# KiCad board central-control-unit.kicad_pcb (continued)
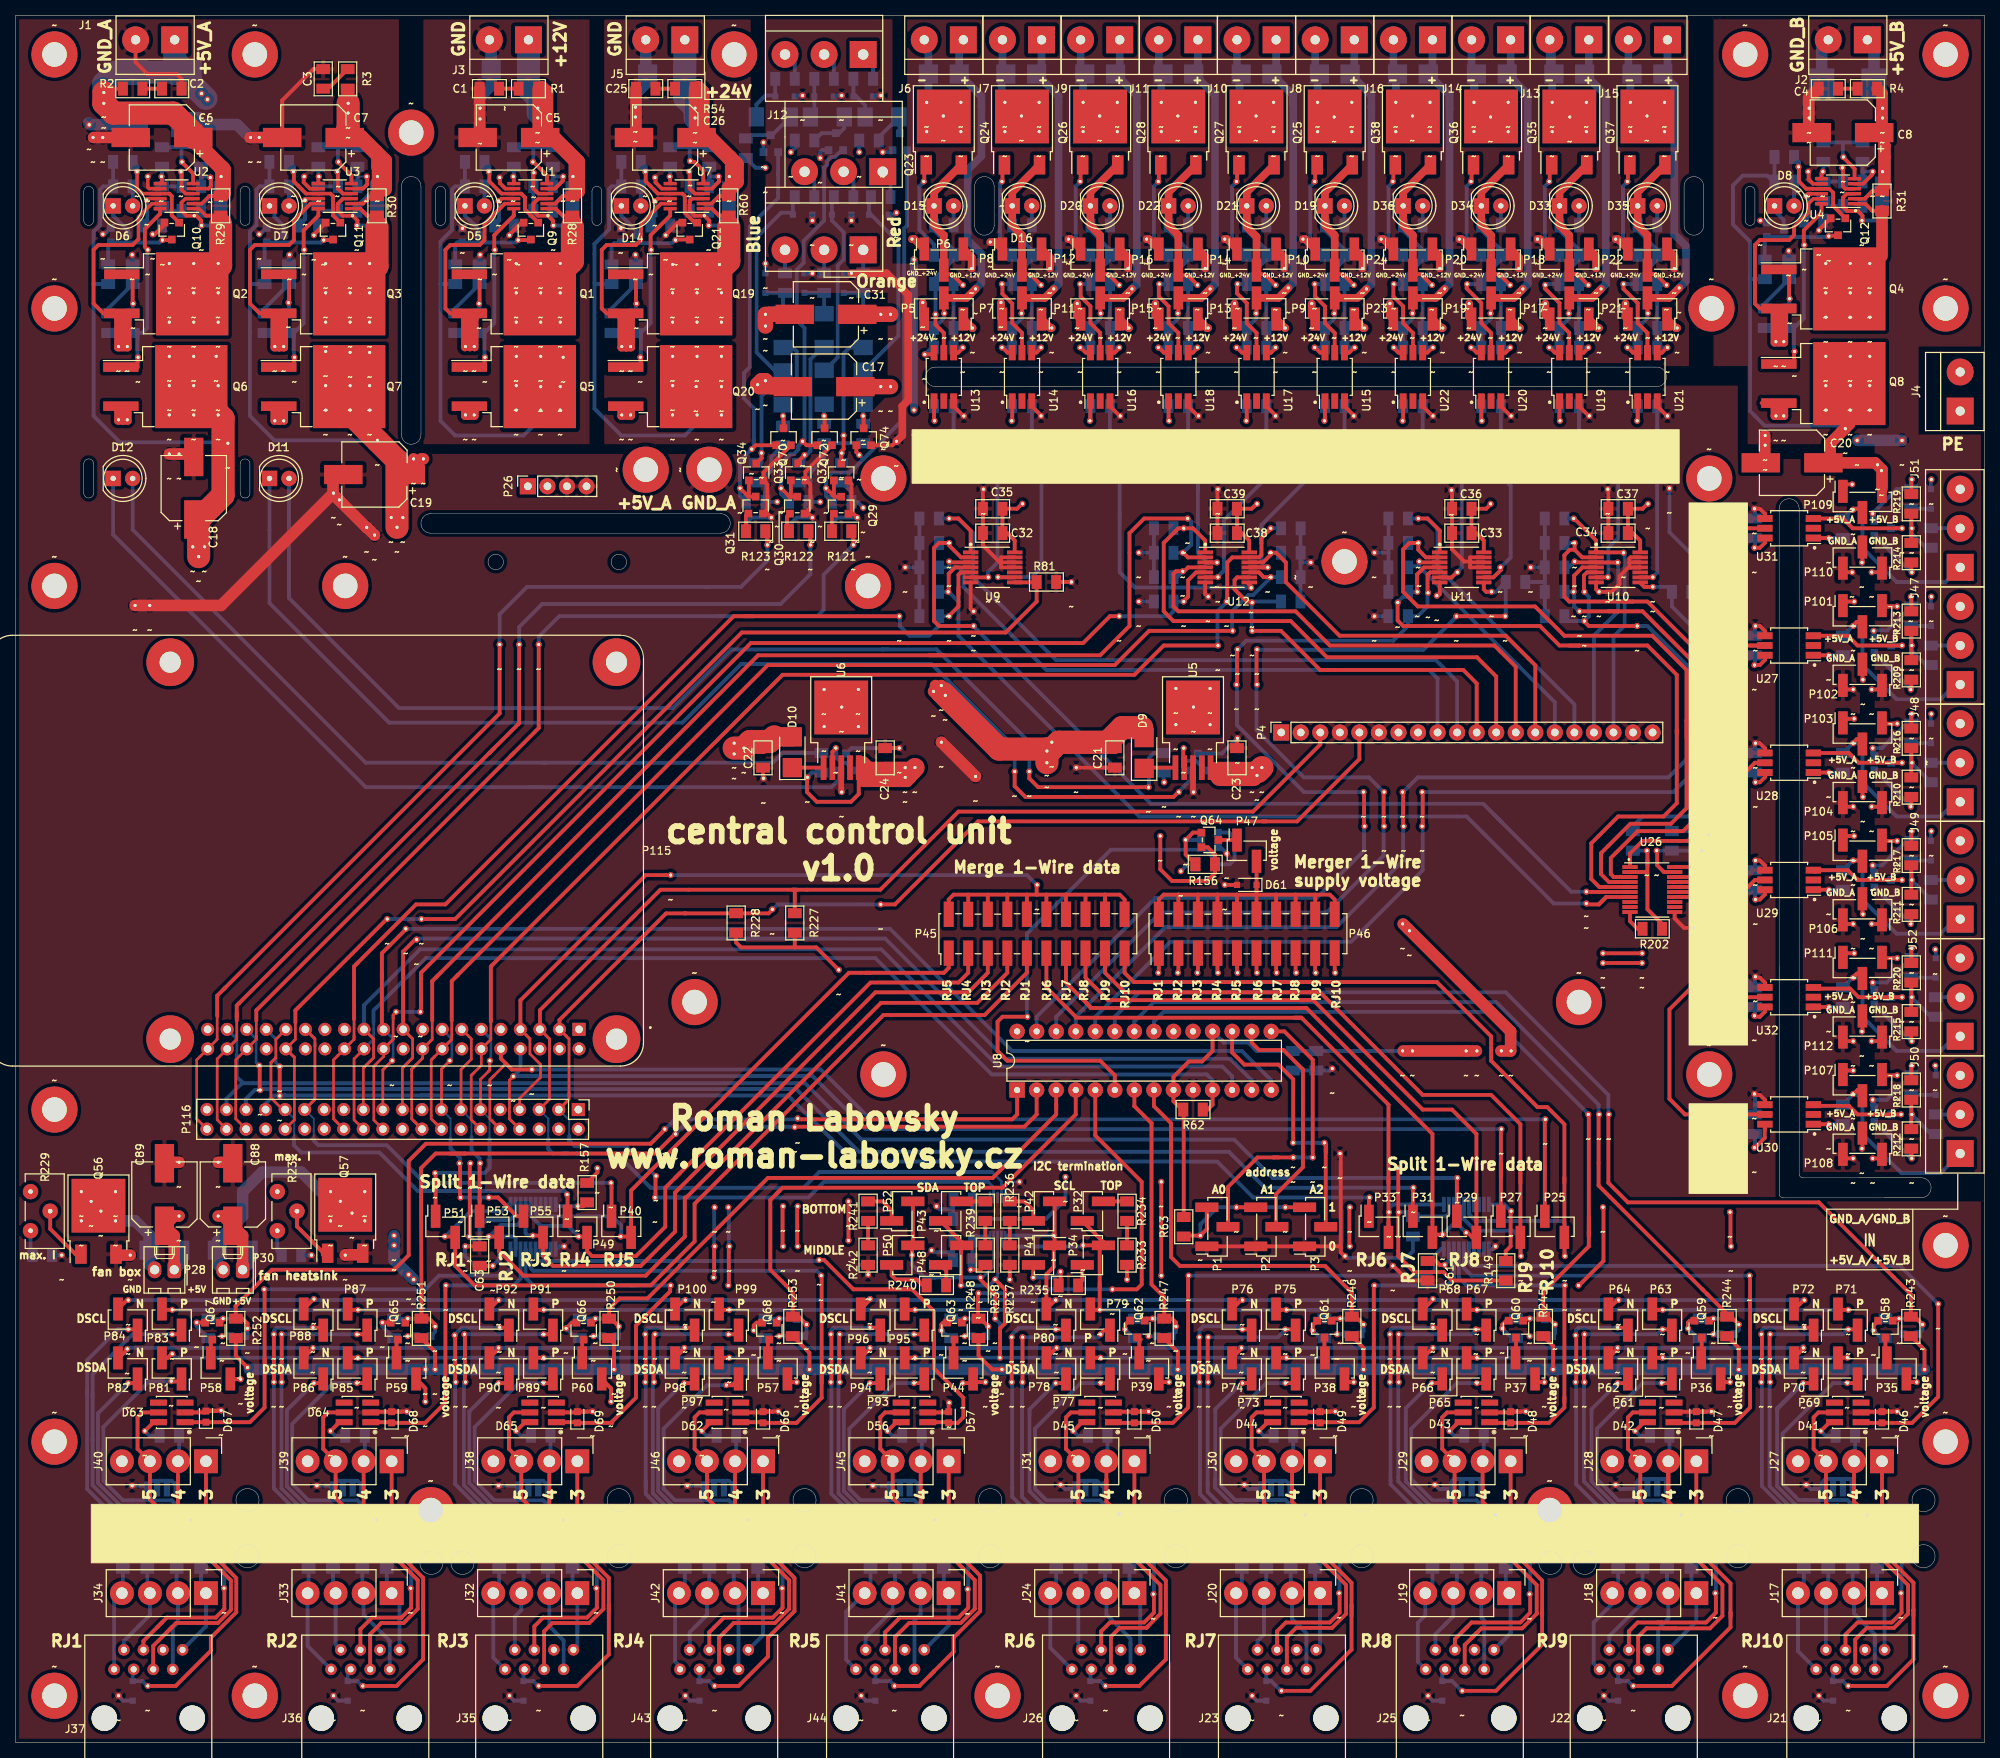
[diagram p0: board, top side]
## Routing (per net, layer and track width the routed paths; a pad name or vN(x,y) marks a point on that pad's centre or on a via; arc(x,y) is an arc through that point) (continued)
  PWR.Cu w3: 26.35,151.64 48.7,129.29 ~#350.~ ; 26.99,151 ~#774.~
  Bottom w0.5: 10.16,189.61 10.16,172.47 13.59,169.04 27.37,169.04 27.62,168.78 ; 10.16,189.61 R45.1 ; 10.16,189.61 10.16,196.41 11.02,197.26 11.02,201.9 11.43,202.31 R49.1 R41.1
Net-(C1-Pad1): length 2.5
  Top w0.5: C1.1 R1.2
Net-(C2-Pad1): length 2.5
  Top w0.5: R2.2 C2.1
Net-(C3-Pad1): length 4.2
  Top w0.5: C3.1 40.64,215.01 R3.2
Net-(C4-Pad1): length 2.5
  Top w0.5: C4.1 R4.2
Net-(C5-Pad1): length 59.6
  Top w0.45: 69.07,200.07 70.14,200.07
  Top w0.5: 72.39,201.04 71.12,201.04 70.14,200.07
  Top w1: 72.39,206.12 72.39,201.04 73.02,201.68 73.02,206.12
  Top w1.5: C5.1 67.94,208.91 R1.1
  Top w2: 73.02,201.68 73.02,205.49 69.85,208.66 C5.1 ; 68.9,210.06 68.9,214.5 68.39,215.01
  Bottom w0.5: 72.39,203.58 R24.1 69.85,199.77 R5.1
  Bottom w1.5: 66.67,220.73 66.67,217.16 66.44,216.92 66.44,215.25 67.94,213.74 ; 67.94,211.84 67.94,211.2
  Bottom w3: J3.1 66.67,215.01 67.94,213.74 67.94,211.84
Net-(C8-Pad1): length 47
  Top w0.25: 240.33,200.7 241.3,201.68
  Top w0.45: U4.2 240.33,200.7
  Top w0.5: R31.2 241.3,201.68 240.35,200.73 240.33,200.73
  Top w1: 243.21,206.12 242.57,206.76 ; 243.21,206.12 243.21,202.31 R31.2 ; 243.21,206.12 243.21,207.64 C8.1 242.57,208.28 242.57,206.76 ; 242.57,206.76 R31.2 ; R31.2 R27.1
  Top w1.5: R4.1 242.57,214.38 242.57,210.31 C8.1
  Bottom w0.5: 242.57,204.22 R27.1 240.03,200.41 240.03,199.77
  Bottom w1.5: J2.1 241.53,220.5 D4.1 242.57,214.6 242.57,211.2
Net-(C9-Pad1): length 5.9
  Top w0.25: 63.17,200.72 62.86,200.41
  Top w0.45: U1.10 63.17,200.72
  Top w0.5: 62.86,200.41 63.12,200.67 63.17,200.67
  Bottom w0.5: 62.86,200.41 62.86,197.87 C9.1
Net-(C10-Pad1): length 5.4
  Top w0.25: 17.2,200.72 17.15,200.66
  Top w0.45: U2.10 17.2,200.72
  Bottom w0.5: C10.1 17.15,197.87 17.15,200.66
Net-(C11-Pad1): length 8.1
  Top w0.25: 37.77,200.72 37.46,200.41 ; 39.76,200.72 38.66,200.72
  Top w0.45: 39.76,200.72 37.77,200.72
  Bottom w0.5: 37.46,197.87 C11.1 37.65,198.05 37.65,200.47 37.59,200.53
Net-(C12-Pad1): length 5.8
  Top w0.45: U4.10 233.36,201.35
  Top w0.5: 233.36,201.35 232.97,201.35 232.66,201.04
  Bottom w0.5: C12.1 233.05,198.5 233.05,200.66 232.66,201.04
Net-(C13-Pad1): length 5.1
  Bottom w0.5: C13.1 57.15,186.44 R36.1
Net-(C14-Pad1): length 5.1
  Bottom w0.5: C14.1 12.06,186.44 R37.1
Net-(C15-Pad1): length 5.1
  Bottom w0.5: R38.1 32.38,186.44 C15.1
Net-(C16-Pad1): length 4.5
  Bottom w0.5: 227.33,187.07 C16.1
Net-(C25-Pad1): length 2.5
  Top w0.5: C25.1 R54.2
Net-(C26-Pad1): length 63.4
  Top w0.45: U7.2 90.47,200.07
  Top w0.5: 90.47,200.07 91.44,201.04 92.71,201.04
  Top w1: 92.71,206.12 R59.1 92.71,201.04
  Top w1.5: 88.27,213.55 R54.1 ; 88.27,213.55 88.27,214.38 ; 88.27,213.55 88.27,208.91 C26.1 89.53,208.66 ; 90.17,208.66 92.79,206.04 ; 92.79,201.12 92.79,202.04
  Top w2: 92.9,205.93 92.71,206.12 ; 92.9,202.15 92.79,202.04 93.66,202.91 93.66,205.17 90.17,208.66 C26.1 89.22,209.36 89.22,214.5 88.71,215.01
  Bottom w0.5: R55.1 90.17,199.77 R59.1 92.71,203.58
  Bottom w1.5: 87,220.73 87,217.16 D13.1 86.75,213.98 ; 88.27,212.47 88.27,211.2
  Bottom w3: ~#813.~ ~#826.~ 87,213.8 J5.1
Net-(C27-Pad1): length 5.5
  Top w0.45: U7.10 83.5,200.72
  Top w0.5: 83.5,200.72 83.19,200.41
  Bottom w0.5: 83.19,200.41 83.19,198.5 82.55,197.87 C27.1
Net-(C28-Pad1): length 5.1
  Bottom w0.5: C28.1 77.47,186.44 R64.1
Net-(C40-Pad1): length 58.6
  Top w0.5: P5.2 120.65,185.8 ; 119.38,180.7 119.15,180.47 ~#444.~
  Top w1: ~#766.~ 123.61,187.81 P5.2
  Bottom w0.5: 125.09,214.47 D17.1 ; D17.1 122.65,216.82 125.09,214.38 ; D17.1 123.19,217.46 ; 120.65,185.8 120.65,185.17 119.38,183.9 119.38,181.36 119.06,181.36 ~#444.~ ; 125.09,189.29 ~#766.~
  Bottom w1: 125.54,189.74 125.54,193.55 123.76,195.33 123.76,204.47 125.54,206.25 125.54,214.03 124.92,214.65 ; 125.3,214.27 124.92,214.65 ; 124.92,214.65 D17.1 122.65,220.82 J6.1 ; 125.41,189.61 ~#766.~
Net-(C40-Pad2): length 31.4
  Top w0.5: 120.55,191.52 P6.2 121.18,190.88 121.73,190.88 ~#1117.~ ; U13.4 122.53,180.7 123.19,181.36
  Top w1: P6.2 120.65,195.96 119.38,197.23 119.38,201.55 Q23.2
  Bottom w0.5: 123.19,181.36 C40.2 C41.2 R98.2 123,189.61 ~#1117.~
Net-(C42-Pad1): length 55
  Top w0.5: 128.27,181.36 128.93,180.7 129.54,180.7 ; P7.2 130.81,185.8
  Top w1: ~#764.~ 133.77,187.81 P7.2
  Bottom w0.5: 133.35,216.28 D18.1 ; 128.27,181.36 129.54,181.36 129.54,183.9 130.81,185.17 130.81,185.8 ; 135.26,189.29 ~#764.~
  Bottom w1: 135.57,190.25 135.57,189.61 ~#764.~ 135.46,189.5 ; 135.57,190.25 135.57,189.74 ; 135.57,190.25 135.57,214.06 D18.1 ; J7.1 133.35,217.55 D18.1 ; D18.1 135.46,214.17
Net-(C42-Pad2): length 31.9
  Top w0.5: 129.54,199.77 129.54,200.41 ; 133.35,181.36 132.69,180.7 U14.4 ; P8.2 131.34,190.88 131.89,190.88 ~#448.~
  Top w1: P8.2 130.81,195.96 129.54,197.23 129.54,201.55 Q24.2
  Bottom w0.5: 133.35,181.36 C42.2 C43.2 R100.2 133.16,189.61 ~#448.~
Net-(C44-Pad1): length 55
  Top w0.5: U15.6 169.57,180.7 168.91,181.36 ; 171.98,188.34 P9.2 171.45,185.8 ; 174.94,188.34 ~#756.~
  Top w1: ~#756.~ 174.41,187.81 P9.2
  Bottom w0.5: 173.45,220.82 J8.1 ; 168.91,181.36 C44.1 C46.1 171.45,185.17 171.45,185.8 ; 175.9,189.29 ~#756.~
  Bottom w1: D23.1 176.21,214.15 176.21,189.61 ~#756.~ ; D23.1 173.45,216.91 176.1,214.26 ; D23.1 173.99,217.46 J8.1
Net-(C44-Pad2): length 31.3
  Top w0.5: 173.99,181.36 173.33,180.7 U15.4 ; P10.2 171.98,190.88 172.53,190.88 ~#469.~
  Top w1: P10.2 171.45,195.96 170.18,197.23 D19.1 170.18,201.55 Q25.2
  Bottom w0.5: 173.99,181.36 C44.2 R108.2 172.85,189.48 ~#469.~
Net-(C45-Pad1): length 50
  Top w0.5: 138.43,181.36 139.09,180.7 139.7,180.7 ; 141.08,187.71 P11.2 140.97,185.8
  Top w1: ~#762.~ 143.93,187.81 P11.2
  Bottom w0.5: 140.97,185.8 141.05,185.72 141.05,185.25 139.7,183.9 139.7,181.36 138.43,181.36
  Bottom w1: 144.92,214.96 D24.1 143.51,217.46 J9.1 ; 144.92,214.96 145.62,214.27 ; 144.92,214.96 145.73,214.15 145.73,189.5 ; 145.62,189.5 ~#762.~ 145.42,189.29
Net-(C45-Pad2): length 31.3
  Top w0.5: P12.2 141.5,190.88 142.05,190.88 ~#454.~ ; 143.51,181.36 142.85,180.7 U16.4
  Top w1: Q26.2 139.7,201.55 139.7,197.23 140.97,195.96 P12.2
  Bottom w0.5: 143.51,181.36 C45.2 C49.2 R111.2 143.32,189.61 ~#454.~
Net-(C47-Pad1): length 49.4
  Top w0.5: U17.6 159.41,180.7 158.75,181.36 ; P13.2 161.29,185.8
  Top w1: ~#758.~ 164.13,187.81 P13.2
  Bottom w0.5: 158.75,181.36 C47.1 C50.1 161.29,185.17 161.29,185.8 ; 165.74,189.42 ~#758.~
  Bottom w1: J10.1 163.83,217.46 D25.1 166.05,214.15 166.05,213.11 ; ~#758.~ 166.05,189.74 166.05,213.11 ; 166.05,213.67 166.05,213.11
Net-(C47-Pad2): length 31.3
  Top w0.5: 163.83,181.36 163.17,180.7 U17.4 ; P14.2 161.82,190.88 162.37,190.88 ~#463.~
  Top w1: P14.2 161.29,195.77 160.02,197.04 D21.1 160.02,201.55 Q27.2
  Bottom w0.5: 163.83,181.36 C47.2 C50.2 R113.2 163.64,189.61 ~#463.~
Net-(C48-Pad1): length 51.4
  Top w0.5: 151.13,185.8 P15.2 151.24,187.71 ; 148.59,181.36 149.25,180.7 U18.6
  Top w1: P15.2 154.09,187.81 ~#760.~
  Bottom w0.5: 148.59,181.36 C48.1 ; 151.13,185.8 151.13,185.17 C51.1 ; 149.86,181.99 149.86,184.53 ; 155.58,189.29 ~#760.~
  Bottom w1: 154.89,215.15 D26.1 153.67,217.46 J11.1 ; 154.89,215.15 155.66,214.39 ; 154.89,215.15 155.89,214.15 155.89,189.61 ~#760.~ ; ~#760.~ 155.66,189.38 ; ~#760.~ 155.77,189.48
Net-(C48-Pad2): length 31.8
  Top w0.5: 153.67,181.36 153.01,180.7 U18.4 ; P16.2 151.13,190.69 151.19,190.75 152.34,190.75 ~#458.~
  Top w1: P16.2 151.13,195.96 149.86,197.23 D22.1 149.86,201.55 Q28.2
  Bottom w0.5: C48.2 153.67,181.36 ; 152.4,181.99 152.4,184.53 ; C51.2 R115.2 153.48,189.61 ~#458.~
Net-(C52-Pad1): length 50.9
  Top w0.5: 199.39,181.36 200.05,180.7 200.66,180.7 ; 201.93,185.8 P17.2
  Top w1: ~#750.~ 204.89,187.81 P17.2
  Bottom w0.5: 203.93,220.82 J13.1 ; 199.39,181.36 200.66,181.36 200.66,183.9 201.93,185.17 201.93,185.8
  Bottom w1: 205.57,215.28 206.69,214.15 206.69,189.61 ~#750.~ 206.38,189.29 ; 205.57,215.28 206.45,214.4 ; 205.57,215.28 D37.1 204.47,217.46 J13.1
Net-(C52-Pad2): length 31.3
  Top w0.5: P18.2 202.46,190.88 203.01,190.88 ~#484.~ ; 204.47,181.36 203.81,180.7 U19.4
  Top w1: P18.2 201.93,195.96 200.66,197.23 200.66,201.55 Q35.2
  Bottom w0.5: 204.47,181.36 C52.2 R141.2 203.33,189.48 ~#484.~
Net-(C53-Pad1): length 56
  Top w0.5: 191.77,185.8 P19.2 191.88,187.81 ; U20.6 189.89,180.7 189.23,181.36 ; 195.26,188.34 ~#752.~
  Top w1: P19.2 194.73,187.81 ~#752.~
  Bottom w0.5: 193.87,220.92 J14.1 ; 191.77,185.8 191.77,185.17 C57.1 C53.1 189.23,181.36 ; 196.22,189.29 ~#752.~
  Bottom w1: J14.1 194.31,217.36 D38.1 ; D38.1 196.53,214.25 196.53,191.01 ; D38.1 196.42,214.36 ; 196.42,189.5 ~#752.~ 196.53,189.61 196.53,191.01 ; 196.53,191.01 196.53,189.74
Net-(C53-Pad2): length 31.3
  Top w0.5: P20.2 192.3,190.88 192.85,190.88 ~#479.~ ; 194.31,181.36 193.65,180.7 U20.4
  Top w1: P20.2 191.77,195.96 190.5,197.23 D34.1 190.5,201.55 Q36.2
  Bottom w0.5: 194.31,181.36 C53.2 R142.2 194.12,189.61 ~#479.~
Net-(C54-Pad1): length 71.8
  Top w0.5: 210.82,180.7 210.21,180.7 209.55,181.36 ; 212.09,185.8 P21.2 ; 215.46,188.34 ~#747.~
  Top w1: ~#747.~ 214.93,187.81 P21.2
  Bottom w0.5: 214.09,220.82 214.63,221.36 ; 212.09,185.8 212.09,185.17 210.82,183.9 210.82,181.36 209.55,181.36 ; 215.58,196.72 215.58,214.5 215.68,214.6 ; ~#747.~ 216.54,189.42
  Bottom w1: 215.58,196.09 215.58,209.3 ; 215.58,196.09 216.62,195.05 ; 215.58,196.09 217.11,194.56 217.11,193.55 ; 217.11,193.55 217.11,189.99 ~#747.~ 216.62,189.5 ; 217.11,193.55 217.11,194.06 ; J15.1 214.69,217.52 D39.1 215.58,215.42 215.58,208.79
Net-(C54-Pad2): length 31.3
  Top w0.5: P22.2 212.62,190.88 213.17,190.88 ~#487.~ ; 214.63,181.36 213.97,180.7 U21.4
  Top w1: P22.2 212.09,195.96 210.82,197.23 210.82,201.55 Q37.2
  Bottom w0.5: 214.63,181.36 C54.2 R143.2 213.49,189.48 ~#487.~
Net-(C55-Pad1): length 52.1
  Top w0.5: 181.72,187.81 P23.2 181.61,185.8 ; 179.07,181.36 179.73,180.7 U22.6 ; 185.1,188.34 ~#754.~
  Top w1: P23.2 184.57,187.81 ~#754.~
  Bottom w0.5: 183.61,220.82 J16.1 ; 181.61,185.8 181.61,185.17 C59.1 C55.1 179.07,181.36 ; 186.06,189.29 ~#754.~
  Bottom w1: 186.37,213.79 186.37,212.34 ; 186.37,212.34 186.37,214.15 D40.1 184.15,217.46 J16.1 ; 186.37,212.34 186.37,189.61 ~#754.~
Net-(C55-Pad2): length 31.3
  Top w0.5: U22.4 183.49,180.7 184.15,181.36 ; P24.2 182.14,190.88 182.69,190.88 ~#474.~
  Top w1: Q38.2 180.34,201.55 D36.1 180.34,197.23 181.61,195.96 P24.2
  Bottom w0.5: 184.15,181.36 C55.2 R144.2 183.96,189.61 ~#474.~
Net-(C82-Pad1): length 12.2
  Top w0.5: R213.2 246.38,141.35
  Bottom w0.5: R221.2 248.28,140.08 246.38,141.99 C82.1 D84.1
Net-(C82-Pad2): length 28.5
  Top w0.5: R213.1 246.38,148.97 ; P102.2 240.03,138.18
  GND.Cu w0.5: 241.3,144.59 240.03,143.32 240.03,138.18 ; 246.38,148.97 249.56,148.97 250.83,147.7 J47.3
  Bottom w0.5: 245.75,147.7 C82.2 ; C82.2 246.38,148.97 ; C82.2 243.27,144.59 241.3,144.59 241.3,144.5 241.57,144.23 Q50.2 241.62,143.57 ; D84.2 248.92,148.97
Net-(C83-Pad1): length 11.8
  Top w0.5: R216.2 246.38,126.11
  Bottom w0.5: 248.92,129.92 246.38,129.92 246.38,127.38 248.92,124.84
Net-(C83-Pad2): length 28.3
  Top w0.5: R216.1 246.38,133.73 ; 240.03,122.94 P104.2
  GND.Cu w0.5: 246.38,133.73 249.56,133.73 250.83,132.46 J48.3 ; 241.3,129.29 240.03,128.02 240.03,122.94
  Bottom w0.5: 241.57,128.92 Q51.2 241.3,128.6 241.3,129.29 242.57,129.29 245.75,132.46 C83.2 246.38,133.73 ; D85.2 248.92,133.73
Net-(C84-Pad1): length 13.1
  Top w0.5: R211.1 246.38,112.14 ; R217.2 246.38,111.51
  Bottom w0.5: D86.1 C84.1 246.38,112.14 R223.2
Net-(C84-Pad2): length 28.3
  Top w0.5: 240.03,107.7 P106.2 ; R217.1 246.38,118.49
  GND.Cu w0.5: 246.38,118.49 249.56,118.49 250.83,117.22 J49.3 ; 240.03,107.7 240.03,112.78 241.3,114.05
  Bottom w0.5: D86.2 248.92,118.49 ; 241.57,113.68 241.57,113.09 241.3,113.36 241.3,114.05 242.57,114.05 245.75,117.22 C84.2 246.38,118.49
Net-(C85-Pad1): length 15.4
  Top w0.5: R218.2 246.38,80.39
  Bottom w0.5: 246.7,81.34 248.92,79.12 R224.2 ; 246.7,81.34 248.28,79.76 ; 246.7,81.34 246.38,81.66 C85.1 D87.1
Net-(C85-Pad2): length 28.4
  Top w0.5: 240.03,78.59 240.14,78.59 ; R218.1 246.38,88.01 ; 240.03,77.22 P108.2
  GND.Cu w0.5: 252.73,86.74 250.83,86.74 249.56,88.01 246.38,88.01 ; 241.3,83.57 240.03,82.3 240.03,77.22
  Bottom w0.5: 249.56,86.74 249.56,88.01 ; Q53.2 241.57,83.2 ; Q53.2 241.3,82.88 241.3,83.57 243.21,83.57 246.38,86.74 246.38,88.01 ; Q53.2 241.57,82.63
Net-(C86-Pad1): length 12.2
  Top w0.5: 246.38,159.13 R214.1
  Bottom w0.5: R225.2 248.28,155.32 246.38,157.23 C86.1 D88.1
Net-(C86-Pad2): length 31.3
  Top w0.5: 240.03,156.59 P110.2 240.03,153.42 ; 246.38,164.21 R219.1
  GND.Cu w0.5: 240.03,157.23 240.03,158.5 241.3,159.77 ; 240.03,157.23 240.03,157.86 ; 240.03,157.23 240.03,153.42 ; 246.38,164.21 250.83,164.21 252.09,162.94 J51.3
  Bottom w0.5: C86.2 245.7,162.94 ; C86.2 244.48,162.94 241.3,159.77 241.3,159.08 Q54.2 241.57,159.4 ; C86.2 245.79,162.94 ; C86.2 246.38,164.21 ; D88.2 248.92,164.21
Net-(C87-Pad1): length 13.1
  Top w0.5: 246.38,95.63 R220.2
  Bottom w0.5: R226.2 248.92,94.36 246.38,96.9 C87.1 D89.1
Net-(C87-Pad2): length 28.3
  Top w0.5: R220.1 246.38,103.25 ; P112.2 240.03,92.46
  GND.Cu w0.5: 252.73,101.98 250.83,101.98 249.56,103.25 246.38,103.25 ; 240.03,92.46 240.03,97.54 241.3,98.81
  Bottom w0.5: 241.57,98.44 Q55.2 241.3,98.12 241.3,98.81 243.21,98.81 246.38,101.98 246.38,103.25 ; 249.56,101.98 249.56,103.25
Net-(D5-Pad1): length 4.9
  Bottom w0.5: 59.4,197.52 58.42,198.5 D5.1 ; 59.4,197.52 60.3,196.62 Q13.3 ; 59.4,197.52 59.62,197.3
Net-(D5-Pad2): length 2.5
  Bottom w0.5: R48.2 D5.2
Net-(D6-Pad1): length 4.6
  Bottom w0.5: Q14.3 14.6,196.6 12.7,198.5 D6.1
Net-(D6-Pad2): length 2.5
  Bottom w0.5: R49.2 D6.2
Net-(D7-Pad1): length 4.3
  Bottom w0.5: Q15.3 34.85,197.16 33.66,198.36 33.66,199.77
Net-(D7-Pad2): length 2.5
  Bottom w0.5: R50.2 D7.2
Net-(D8-Pad1): length 4.2
  Bottom w0.5: 228.6,200.41 228.6,199.14 229.8,197.94 Q16.3
Net-(D8-Pad2): length 2.5
  Bottom w0.5: 231.14,200.41 R51.2
Net-(D9-Pad1): length 4.1
  Top w0.5: D9.1 146.78,126.75 U5.1
Net-(D10-Pad1): length 4.1
  Top w0.5: U6.1 D10.1
Net-(D11-Pad1): length 158.4
  Top w0.5: ~#390.~ 129.86,124.33 131.25,122.94 150.5,122.94 151.13,123.57
  Bottom w0.5: 113.35,140.21 119.06,140.21 129.86,129.41 ~#390.~ ; 113.35,140.21 113.98,140.21 ; 113.35,140.21 94.3,140.21 86.68,132.59 48.58,132.59 33.02,148.15 D11.1 ; Q17.2 152.72,125.16 151.13,123.57
Net-(D11-Pad2): length 153.2
  Top w0.5: ~#389.~ 131.76,125.35 132.91,124.21 147.32,124.21
  Bottom w0.5: ~#389.~ 131.76,130.05 119.7,142.11 112.71,142.11 ; 147.32,124.21 147.32,128.02 147.96,128.65 R52.2 ; 112.71,142.11 113.35,142.11 ; 112.71,142.11 93.03,142.11 85.41,134.49 49.85,134.49 35.56,148.78 D11.2
Net-(D12-Pad1): length 118.5
  Bottom w0.5: 68.39,124.21 106.05,124.21 107,125.16 Q18.2 ; 68.39,124.21 45.53,124.21 12.7,157.04 D12.1 ; 68.39,124.21 66.67,124.21
Net-(D12-Pad2): length 109.7
  Bottom w0.5: R53.2 99.69,128.65 98.42,127.38 69.02,127.38 ; D12.2 15.24,157.67 45.53,127.38 69.02,127.38 ; 69.02,127.38 68.58,127.38
Net-(D14-Pad1): length 5.4
  Bottom w0.5: Q22.3 80.89,196.35 79.47,197.77 ; 79.47,197.77 79.94,197.3 ; 79.47,197.77 78.74,198.5 D14.1
Net-(D14-Pad2): length 2.5
  Bottom w0.5: R67.2 D14.2
Net-(D15-Pad2): length 2.5
  Bottom w0.5: D15.2 R96.2
Net-(D16-Pad2): length 2.5
  Bottom w0.5: D16.2 R97.2
Net-(D17-Pad2): length 24.9
  Top w0.5: 118.11,213.94 Q23.3
  Bottom w0.5: Q23.3 118.65,213.4 D17.2 118.65,220.19 118.11,220.73
  Bottom w1: ~#745.~ 118.65,213.39 D17.2 118.65,220.82 J6.2
Net-(D18-Pad2): length 22.5
  Bottom w0.5: J7.2 128.27,216.38 128.18,216.28 128.18,214.03 Q24.3
  Bottom w1: 128.18,214.03 128.18,214.03 ; 128.18,214.03 128.18,216.38 D18.2 128.27,217.36 J7.2 ; 128.18,214.03 ~#491.~
Net-(D19-Pad2): length 2.5
  Bottom w0.5: D19.2 R106.2
Net-(D20-Pad2): length 2.5
  Bottom w0.5: D20.2 R107.2
Net-(D21-Pad2): length 2.5
  Bottom w0.5: D21.2 R109.2
Net-(D22-Pad2): length 2.5
  Bottom w0.5: D22.2 R110.2
Net-(D23-Pad2): length 18.3
  Bottom w0.5: 169.45,220.82 J8.2 ; 169.45,216.28 169.45,213.4 Q25.3
  Bottom w1: D23.2 169.23,216.69 ~#941.~ 171.13,211.33 ~#495.~ ; D23.2 168.91,217.46 J8.2 ; D23.2 169.45,217.33
Net-(D24-Pad2): length 17.3
  Bottom w0.5: Q26.3 138.97,213.4 138.97,216.28
  Bottom w1: J9.2 138.43,217.46 D24.2 138.75,216.69 ~#929.~ ; 138.97,213.77 138.97,213.39 ~#492.~
Net-(D25-Pad2): length 17.3
  Bottom w0.5: Q27.3 159.29,213.4 159.29,216.28
  Bottom w1: 159.29,213.77 159.29,213.39 ~#494.~ ; 158.75,221.36 158.75,217.46 D25.2 159.07,216.69 ~#937.~
Net-(D26-Pad2): length 17.1
  Bottom w0.5: 149.13,216.28 149.13,213.4 Q28.3
  Bottom w1: 148.59,221.36 148.59,217.46 D26.2 148.91,216.69 ~#933.~ 150.69,211.45 ~#493.~
Net-(D27-Pad1): length 5.3
  Bottom w0.5: D30.1 R130.1 D27.1
Net-(D27-Pad2): length 18.3
  Top w0.5: 107.63,169.67 107.63,168.15 107.38,167.89 ~#1079.~ 107.31,167.57 Q32.3
  Bottom w0.5: ~#1080.~ 107.63,180.59 108.39,181.36 D27.2 ; R127.2 ~#1079.~
Net-(D28-Pad1): length 5.3
  Bottom w0.5: D28.1 R131.1 D31.1
Net-(D28-Pad2): length 19.2
  Top w0.5: ~#1087.~ 101.72,166.56 Q33.3
  Bottom w0.5: 102.68,167.26 R128.2 102.55,167.13 ; 102.68,167.26 ~#1087.~ ; 102.68,167.26 103.31,167.89 103.31,179.83 104.84,181.36 D28.2
Net-(D29-Pad1): length 5.4
  Bottom w0.5: D29.1 99.76,188.21 R132.1 D32.1
Net-(D29-Pad2): length 21.3
  Top w0.5: Q34.3 96.96,166.98 ~#1115.~
  Bottom w0.5: D29.2 101.03,181.36 101.54,180.85 101.54,177.29 100.27,176.02 97.98,176.02 96.96,175.01 96.96,166.37
Net-(D33-Pad2): length 2.5
  Bottom w0.5: R137.2 D33.2
Net-(D34-Pad2): length 2.5
  Bottom w0.5: R138.2 D34.2
Net-(D35-Pad2): length 2.5
  Bottom w0.5: D35.2 R139.2
Net-(D36-Pad2): length 2.5
  Bottom w0.5: R140.2 D36.2
Net-(D37-Pad2): length 22.5
  Bottom w0.5: J13.2 199.93,220.82 199.93,213.4 Q35.3
  Bottom w1: ~#498.~ 201.61,211.33 ~#953.~ 199.71,216.69 D37.2 199.39,217.46 J13.2
Net-(D38-Pad2): length 18
  Bottom w0.5: 189.87,220.73 J14.2 ; 189.87,216.28 189.87,213.3 Q36.3
  Bottom w1: J14.2 189.23,217.55 D38.2 189.55,216.6 ~#949.~ 191.45,211.33 ~#497.~
Net-(D39-Pad2): length 17.9
  Bottom w0.5: 210.09,220.82 209.55,221.36 ; 210.09,216.4 210.09,213.4 Q37.3
  Bottom w1: ~#499.~ 211.65,211.45 ~#957.~ 209.87,216.69 D39.2 209.61,217.39 J15.2
Net-(D40-Pad2): length 17.8
  Bottom w0.5: 179.61,220.82 J16.2 ; Q38.3 179.61,213.4 179.61,216.28
  Bottom w1: J16.2 179.07,217.46 D40.2 179.39,216.69 ~#945.~ 181.17,211.45 ~#496.~
Net-(D41-Pad6): length 4.4
  Top w0.5: D41.6 235.78,41.66 ~#1127.~
  Bottom w0.5: ~#1127.~ 235.27,39.88 R270.1
Net-(D42-Pad6): length 4.2
  Top w0.5: D42.6 211.65,41.66 ~#1126.~
  Bottom w0.5: R266.1 211.14,39.88 ~#1126.~
Net-(D43-Pad6): length 4.4
  Top w0.5: D43.6 187.52,41.66 ~#1125.~
  Bottom w0.5: ~#1125.~ 187.01,39.88 R268.1
Net-(D44-Pad6): length 4.4
  Top w0.5: D44.6 162.75,41.66 ~#1124.~
  Bottom w0.5: R271.1 162.24,39.88 ~#1124.~
Net-(D45-Pad6): length 4.4
  Top w0.5: D45.6 138.62,41.66 ~#1123.~
  Bottom w0.5: R269.1 138.11,39.88 ~#1123.~
Net-(D56-Pad6): length 4.7
  Top w0.5: ~#1122.~ 114.49,41.66 D56.6 114.94,41.48
  Bottom w0.5: ~#1122.~ 113.98,39.88 R267.1
Net-(D58-Pad2): length 16
  Bottom w1.5: P28.2 17.37,62.2 D58.2 17.37,66.01 15.56,67.82 ~#1014.~ 12.38,67.82 ~#291.~ ~#134.~ ~#1012.~
Net-(D59-Pad2): length 30.1
  Bottom w1.5: P30.2 26.26,62.2 D59.2 26.26,65.18 29.53,68.45 29.53,71.63 32.07,74.17 37.15,74.17 43.5,67.82 44.13,67.82
Net-(D62-Pad6): length 4.2
  Top w0.5: ~#1121.~ 90.36,41.66 D62.6
  Bottom w0.5: ~#1121.~ 89.85,39.88 R275.1
Net-(D63-Pad6): length 4.7
  Top w0.5: 18.41,41.48 D63.6 17.97,41.66 ~#1118.~
  Bottom w0.5: ~#1118.~ 17.46,39.88 R274.1
Net-(D64-Pad6): length 4.4
  Top w0.5: ~#1119.~ 42.1,41.66 D64.6
  Bottom w0.5: R272.1 41.59,39.88 ~#1119.~
Net-(D65-Pad6): length 4.4
  Top w0.5: ~#1120.~ 66.23,41.66 D65.6
  Bottom w0.5: R273.1 65.72,39.88 ~#1120.~
Net-(D74-Pad1): length 37
  Top w0.5: 214,46.74 214.74,46.74 P61.1
  Bottom w0.5: R162.2 215.49,27.47 D74.1 214.63,30.86 214,31.5 208.28,31.5 205.52,34.26 205.52,40.8 211.46,46.74 214,46.74
Net-(D74-Pad2): length 32.6
  Top w0.5: 209.45,47.37 P62.1 ; P62.1 209.02,46.74 ~#144.~ ; P62.1 209.15,46.86
  Bottom w0.5: R163.2 213.36,26.42 D74.2 213.36,30.16 212.73,30.8 207.99,30.8 204.82,33.97 ; 204.82,34.77 204.82,34.13 204.82,43.34 ~#144.~
Net-(D74-Pad3): length 47.5
  Top w0.5: ~#274.~ 203.84,46.93 203.84,49.09 ; 203.84,49.09 203.84,53.09 ; 203.84,49.09 203.84,48.64 ; 214,53.72 215.16,53.72 P63.1
  Bottom w0.5: 212.09,27.47 212.09,28.96 ; 212.09,27.47 212.09,29.46 211.46,30.1 207.7,30.1 203.84,33.96 203.84,46.55 203.9,46.61 ~#274.~ ; 212.09,27.47 212.09,25.78 R164.2 ; 214,53.72 213.36,53.09 203.84,53.09
Net-(D74-Pad4): length 43.3
  Top w0.5: 202.83,52.82 202.83,46.94 ~#275.~ ; P64.1 209.23,53.94 208.28,53.94
  Bottom w0.5: 208.28,53.94 203.1,53.94 202.82,53.65 202.82,53.09 ; D74.4 210.82,28.96 ; D74.4 210.82,28.97 210.39,29.4 207.01,29.4 202.83,33.58 202.83,46.82 202.79,46.86 ~#275.~ ; D74.4 210.6,27.47 R165.2
Net-(D75-Pad1): length 37
  Top w0.5: 189.87,46.74 190.61,46.74 P65.1
  Bottom w0.5: R166.2 191.36,27.47 D75.1 190.5,30.86 189.87,31.5 184.15,31.5 181.39,34.26 181.39,40.8 187.33,46.74 189.87,46.74
Net-(D75-Pad2): length 35.2
  Top w0.5: 185.02,46.86 P66.1 ; P66.1 184.89,46.74 ~#88.~ ; P66.1 185.32,47.37
  Bottom w0.5: 184.09,46.86 180.69,43.47 180.69,33.97 183.86,30.8 ; 186.82,30.8 188.59,30.8 189.23,30.16 D75.2 189.23,26.42 R167.2 ; 186.82,30.8 183.86,30.8 ; 186.82,30.8 183.86,30.8
Net-(D75-Pad3): length 46.1
  Top w0.5: 179.71,49.09 179.71,46.93 ~#264.~ ; 179.71,49.09 179.71,48.64 ; 179.71,49.09 179.71,53.09 ; P67.1 191.03,53.72 189.87,53.72
  Bottom w0.5: 179.71,53.09 189.23,53.09 189.87,53.72 ; R168.2 187.96,25.78 D75.3 187.96,29.46 187.33,30.1 183.57,30.1 179.71,33.96 179.71,46.55 179.77,46.61 ~#264.~
Net-(D75-Pad4): length 42.8
  Top w0.5: 178.7,48.64 178.7,49.45 ; 178.7,49.45 178.7,53.09 ; 178.7,49.45 178.7,46.94 ~#263.~ ; P68.1 185.1,53.94 184.15,53.94
  Bottom w0.5: R169.2 186.47,27.47 D75.4 186.69,28.97 186.26,29.4 182.88,29.4 178.7,33.58 178.7,46.82 178.66,46.86 ~#263.~ ; 178.7,53.09 178.7,53.65 178.99,53.94 184.15,53.94
Net-(D76-Pad1): length 38.9
  Top w0.5: 238.12,46.74 238.87,46.74 P69.1
  Bottom w0.5: 232.81,31.54 238.09,31.54 238.76,30.86 D76.1 ; 232.81,31.54 231.74,31.54 229.65,33.62 229.65,40.17 236.22,46.74 238.12,46.74 ; 232.81,31.54 232.37,31.54 ; R170.2 239.62,27.47 D76.1 ; D76.1 238.76,28.96
Net-(D76-Pad2): length 37.8
  Top w0.5: 233.28,46.86 P70.1 ; P70.1 233.58,47.37 ; P70.1 233.15,46.74 ~#137.~
  Bottom w0.5: ~#137.~ 228.95,43.34 228.95,43.02 ; R171.2 237.49,26.42 D76.2 237.49,30.2 236.86,30.84 231.45,30.84 228.95,33.33 228.95,43.02 ; 228.95,43.02 228.95,43.47 232.35,46.86
Net-(D76-Pad3): length 47.8
  Top w0.5: 227.97,48.96 227.97,46.93 ~#285.~ ; 227.97,48.96 227.97,48.64 ; 227.97,48.96 227.97,53.09 ; 238.12,53.72 239.29,53.72 P71.1
  Bottom w0.5: D76.3 236.22,25.78 R172.2 ; D76.3 236.22,28.96 ; D76.3 236.22,29.5 235.59,30.14 231.16,30.14 227.97,33.33 227.97,46.42 228.03,46.48 ~#285.~ ; 227.97,53.09 237.49,53.09 238.12,53.72
Net-(D76-Pad4): length 43.1
  Top w0.5: 226.96,49.23 226.96,46.94 ~#284.~ ; 226.96,49.23 226.96,53.09 ; 226.96,49.23 226.96,48.64 ; P72.1 233.36,53.94 232.41,53.94
  Bottom w0.5: ~#284.~ 226.89,46.96 226.96,47.04 226.96,33.34 230.87,29.44 234.48,29.44 234.95,28.97 D76.4 234.73,27.47 R173.2 ; 232.41,53.94 227.25,53.94 226.96,53.65 226.96,53.09
Net-(D77-Pad1): length 38.6
  Top w0.5: 165.1,46.74 165.84,46.74 166.37,47.27
  Bottom w0.5: 156.62,33.62 156.62,34.26 ; 156.62,34.26 156.62,33.43 158.52,31.54 159.79,31.54 ; 156.62,34.26 156.62,40.8 162.56,46.74 165.1,46.74 ; 159.79,31.54 165.06,31.54 165.74,30.86 D77.1 166.59,27.47 R174.2 ; 159.79,31.54 159.35,31.54
Net-(D77-Pad2): length 34
  Top w0.5: P74.1 160.12,46.74 ~#150.~ ; P74.1 160.25,46.86 ; P74.1 160.55,47.37
  Bottom w0.5: R175.2 164.47,26.42 D77.2 164.47,30.2 163.83,30.84 159.55,30.84 ; 159.55,30.84 158.23,30.84 155.92,33.14 155.92,34.13 ; 159.55,30.84 159.06,30.84 ; 155.92,34.13 155.92,43.34 159.45,46.86 ; 155.92,34.13 155.92,33.33
Net-(D77-Pad3): length 47.6
  Top w0.5: 154.94,49.09 154.94,46.93 ~#250.~ ; 154.94,49.09 154.94,52.6 ; 154.94,49.09 154.94,48.64 ; 165.1,53.72 166.27,53.72 166.37,53.62
  Bottom w0.5: 154.94,33.85 154.94,33.33 ; 154.94,33.85 154.94,32.58 157.38,30.14 162.65,30.14 163.2,29.59 D77.3 163.2,25.78 R176.2 ; 154.94,33.85 154.94,46.55 155,46.61 ~#250.~ ; 164.47,53.09 165.1,53.72 164.07,52.69 155.34,52.69
Net-(D77-Pad4): length 43.8
  Top w0.5: 153.86,49.28 ~#249.~ ; 153.86,49.28 153.86,48.64 ; 153.86,49.28 ~#248.~ ; 159.39,53.72 160.55,53.72 P76.1
  Bottom w0.5: 153.88,53.65 154.35,54.12 158.99,54.12 159.39,53.72 ; 153.88,53.65 153.88,53.09 ; 153.88,53.65 154.16,53.94 ; 153.94,33.58 153.94,33.34 ; 153.94,33.58 153.94,46.82 153.89,46.86 ~#249.~ ; 153.94,33.58 153.94,32.31 156.81,29.44 161.46,29.44 161.93,28.97 D77.4 161.71,27.47 R177.2
Net-(D78-Pad1): length 37.8
  Top w0.5: 140.97,46.74 141.71,46.74 P77.1
  Bottom w0.5: R178.2 142.46,27.47 D78.1 141.61,30.86 140.97,31.5 133.99,31.5 132.49,32.99 132.49,40.8 138.43,46.74 140.97,46.74
